# Altium PCB m-BLANC.PcbDoc (part 5 of 15)
Units mm, origin at the board's own origin, x right, y up, seen from the top; angles counter-clockwise.
Board outline 100 x 100 mm, 6 copper layers (Top Layer, InLayer1 (GND), InLayer2 (Signal), InLayer3 (PWR), InLayer4 (GND), Bottom Layer), stack 1.634 mm thick; 322 components, 563 nets, 2865 pads, 1870 vias.
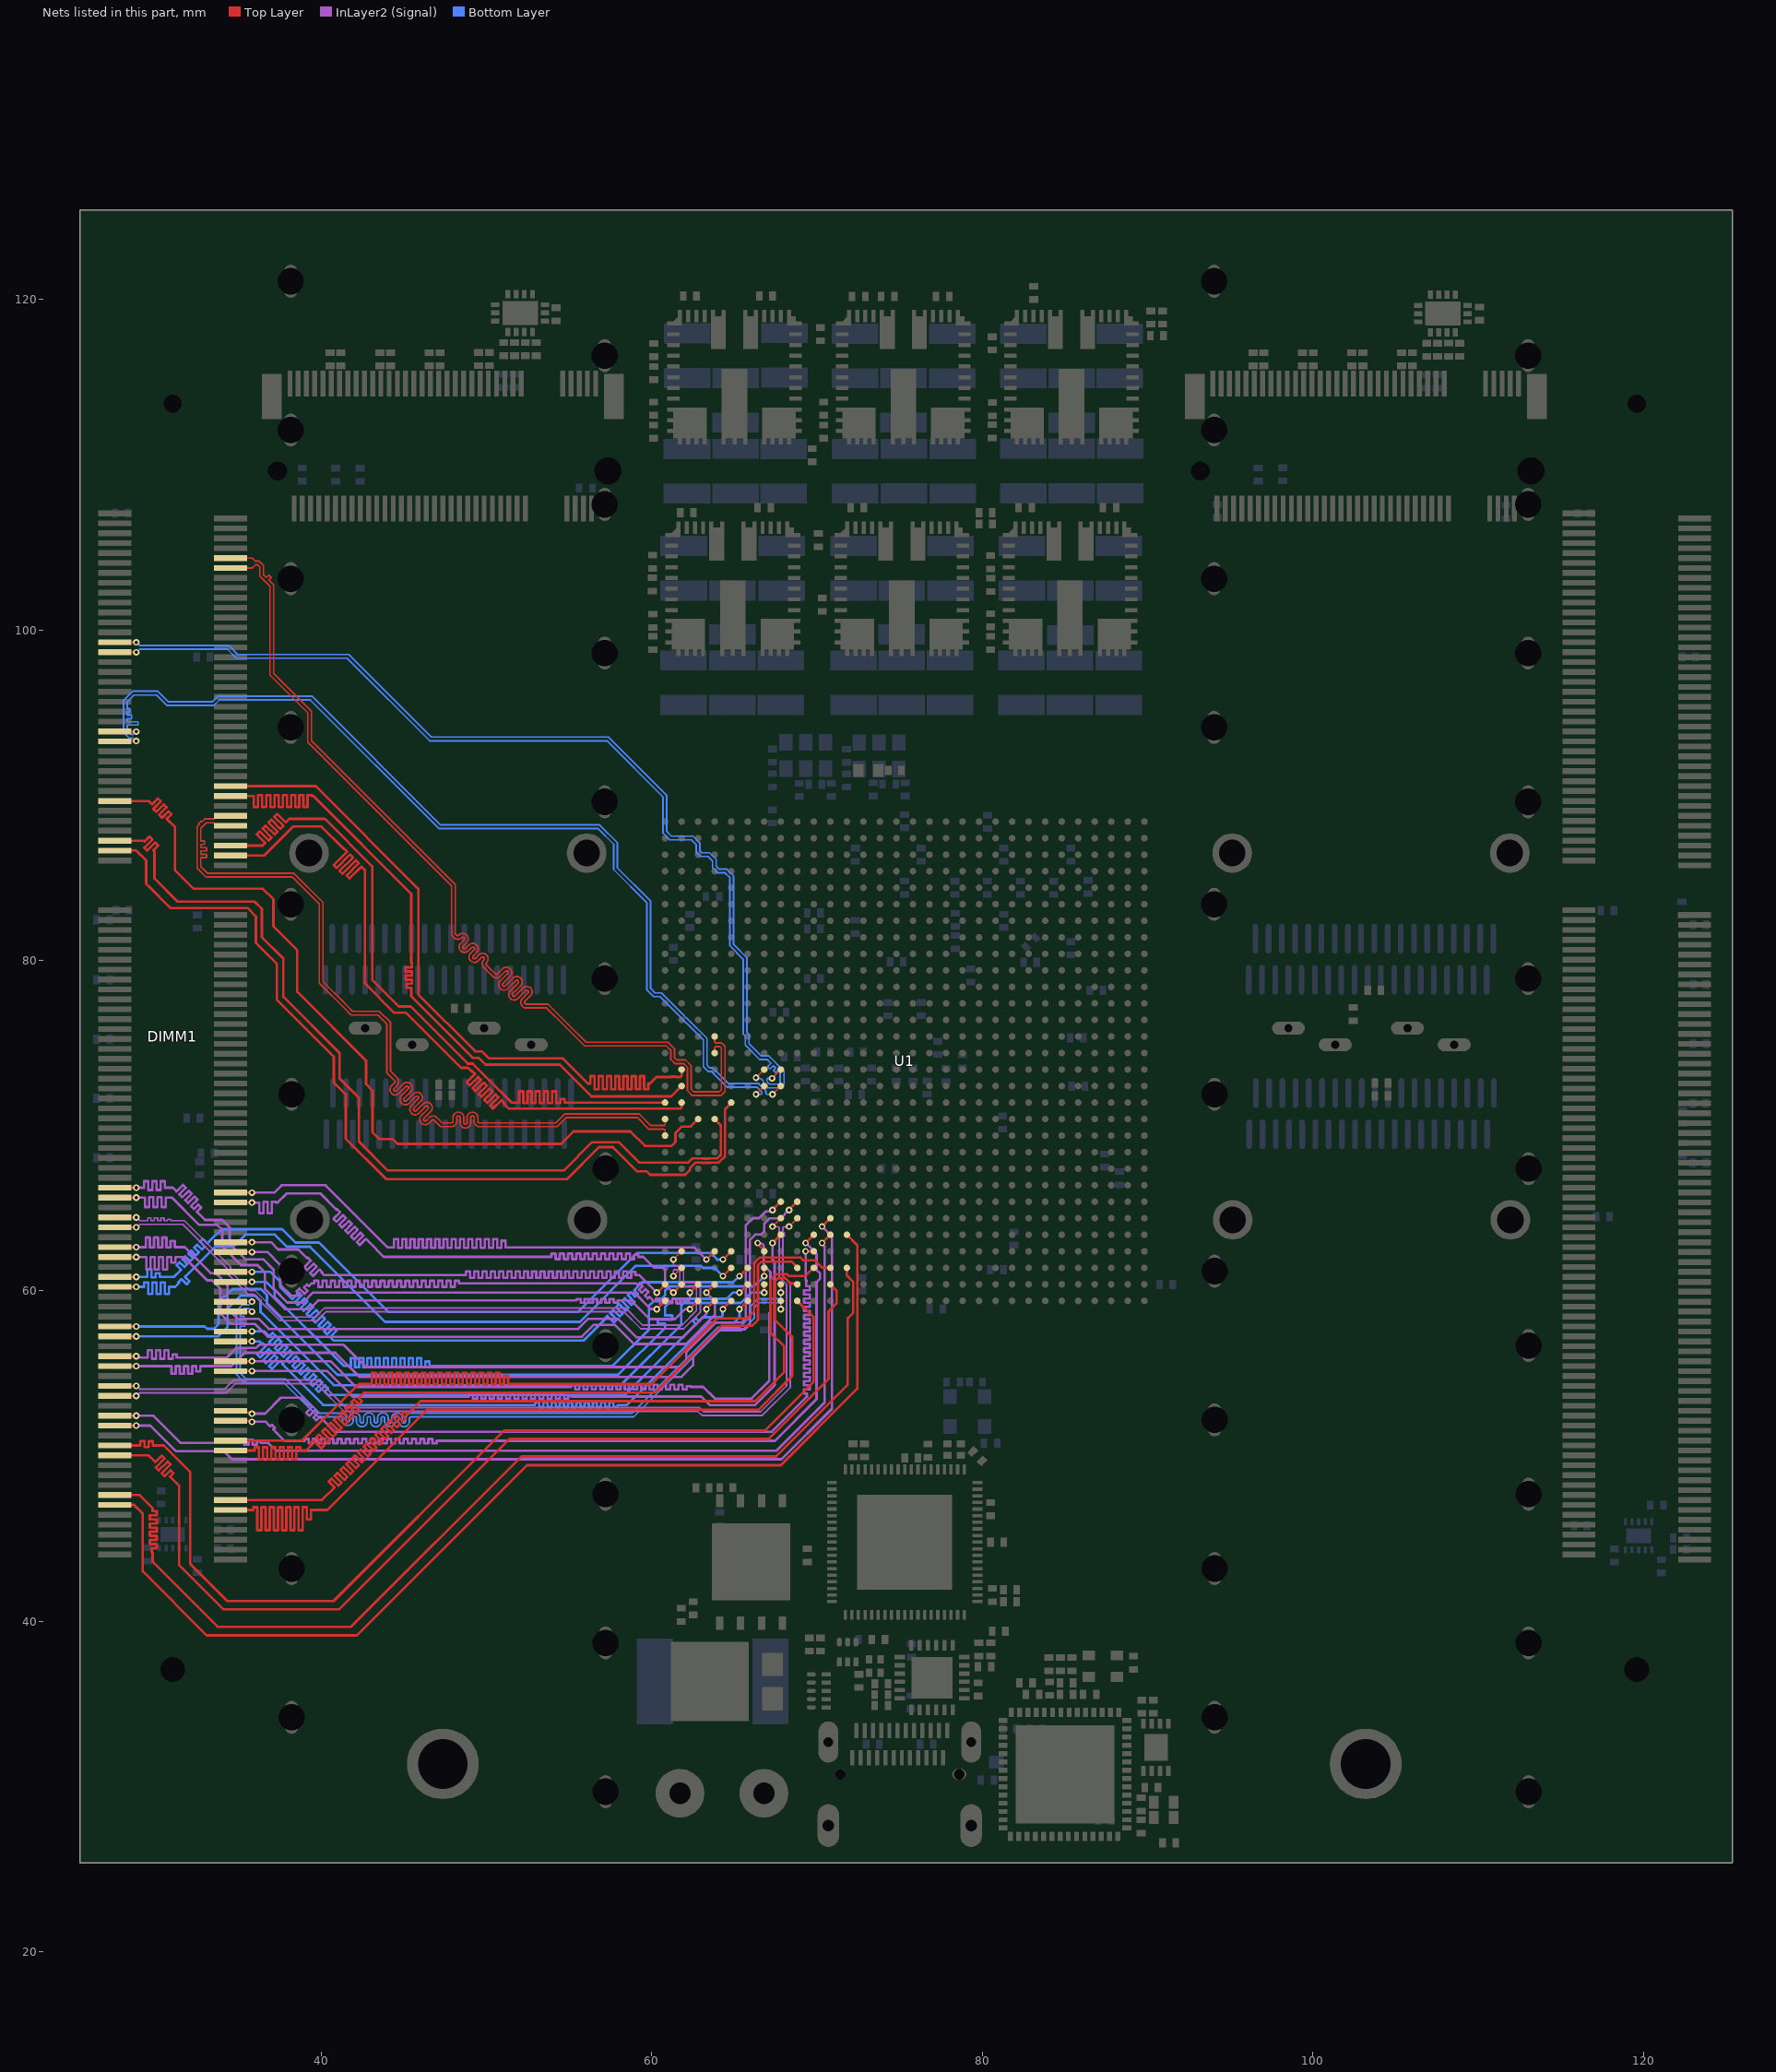
[diagram p9: the nets of this part, all layers, seen from the top]

## Via types
v1: diameter 0.4, hole 0.2, Top Layer to Bottom Layer, tented both sides, 1808 vias
v2: diameter 0.8, hole 0.4, Top Layer to Bottom Layer, tented both sides, 54 vias
v3: diameter 5, hole 3.2, Top Layer to Bottom Layer, 4 vias
v4: diameter 3.5, hole 3.2, Top Layer to Bottom Layer, 4 vias

## Nets (pads, with @x,y where several pads share a name; then routed paths per layer and width w, separated by ;. In a path a pad name is that pad's centre, name@x,y a point inside that pad or via, vN(x,y) a via of type N, cw(c..) or ccw(c..) an arc to the next point about the centre after c; other vN are vias at no path point) (continued)
DRAM1_DQ25: DIMM1.59 U1.AH19 | length 55.2
  Top Layer w0.15: DIMM1.59@27.5,89.65 29.55,89.65 29.7,89.5 29.753,89.447 30.101,89.795 30.278,89.618 29.83,89.17 30.007,88.993 30.454,89.441 30.631,89.264 30.183,88.817 30.36,88.64 30.744,89.024 30.921,88.847 30.637,88.563 31.145,88.055 31.145,85.453 32.26,84.338 36.458,84.338 37.093,83.703 37.093,82.069 38.536,80.627 38.536,78.099 42.7,73.935 42.7,72.518 43.1,72.118 43.1,69.6 43.5,69.2 44.3,69.2 44.6,68.9 54.5,68.9 55.25,69.65 58.702,69.65 59.577,68.775 61.192,68.775 61.425,69.008 61.425,69.555 61.823,69.954 62.354,69.954 U1.AH19@62.8,70.4
DRAM1_DQ26: DIMM1.67 U1.AG19 | length 56.7
  Top Layer w0.15: DIMM1.67@27.5,87.25 29.25,87.25 29.303,87.197 29.6,87.494 29.777,87.317 29.279,86.819 29.456,86.642 29.952,87.139 30.129,86.962 29.833,86.667 29.9,86.6 29.9,86.405 29.9,84.964 31.302,83.561 35.964,83.561 36.4,83.125 36.4,81.4 37.7,80.1 37.7,77.794 41.1,74.394 41.1,72.873 42.273,71.701 42.273,69.027 44.007,67.293 54.68,67.293 56.385,68.999 58.003,68.999 59.226,67.775 62.219,67.775 62.469,68.025 63.114,68.025 63.13,68.01 63.44,68.01 63.455,68.025 63.955,68.025 64.175,68.245 64.175,70.025 U1.AG19@63.8,70.4
DRAM1_DQ27: DIMM1.69 U1.AF18 | length 56.1
  Top Layer w0.15: DIMM1.69@27.5,86.65 28.797,86.65 29.4,86.047 29.4,84.64 29.67,84.37 30.762,83.278 30.863,83.176 35.524,83.176 36.038,82.662 36.038,81.062 37.3,79.8 37.3,77.627 40.749,74.178 40.749,72.62 41.475,71.894 41.475,69.216 43.927,66.764 54.864,66.764 56.8,68.7 57.638,68.7 59.093,67.245 59.669,67.245 59.888,67.025 60.355,67.025 61.145,67.025 61.455,67.025 61.645,67.025 62.021,67.025 62.3,67.304 62.3,67.43 62.645,67.775 62.955,67.775 62.97,67.76 63.544,67.76 63.559,67.775 64.059,67.775 64.425,68.141 64.425,71.003 64.8,71.378 U1.AF18@64.8,71.4
DRAM1_DQ28: DIMM1.56 U1.AJ16 | length 50.2
  Top Layer w0.15: DIMM1.56@34.5,90.55 39.652,90.55 45.869,84.333 45.869,77.95 49.322,74.498 49.713,74.498 50.145,74.066 54.617,74.066 56.126,72.557 56.202,72.557 56.277,72.557 56.277,72.999 56.527,72.999 56.527,72.209 56.777,72.209 56.777,72.999 57.027,72.999 57.027,72.209 57.277,72.209 57.277,72.999 57.527,72.999 57.527,72.209 57.777,72.209 57.777,72.999 58.027,72.999 58.027,72.209 58.277,72.209 58.277,72.999 58.527,72.999 58.527,72.209 58.777,72.209 58.777,72.999 59.027,72.999 59.027,72.209 59.277,72.209 59.277,72.999 59.527,72.999 59.527,72.209 59.777,72.209 59.777,72.557 59.886,72.557 60.073,72.743 60.274,72.945 61.101,72.945 61.176,72.945 61.176,72.977 61.426,72.977 61.426,72.945 61.711,72.945 61.726,72.96 61.799,73.033 U1.AJ16@61.799,73.399
DRAM1_DQ29: DIMM1.58 U1.AJ17 | length 51
  Top Layer w0.15: DIMM1.58@34.5,89.95 35.589,89.95 35.914,89.95 35.914,89.284 36.164,89.284 36.164,90.004 36.414,90.004 36.414,89.284 36.664,89.284 36.664,90.004 36.914,90.004 36.914,89.284 37.164,89.284 37.164,90.004 37.414,90.004 37.414,89.284 37.664,89.284 37.664,90.004 37.914,90.004 37.914,89.284 38.164,89.284 38.164,90.004 38.414,90.004 38.414,89.284 38.664,89.284 38.664,90.004 38.914,90.004 38.914,89.284 39.164,89.284 39.164,90.004 39.414,90.004 39.414,89.95 39.5,89.95 39.518,89.95 45.438,84.031 45.438,79.911 45.438,79.836 45.478,79.836 45.478,79.586 45.09,79.586 45.09,79.336 45.478,79.336 45.478,79.086 45.09,79.086 45.09,78.836 45.478,78.836 45.478,78.586 45.159,78.586 45.159,78.336 45.438,78.336 45.438,77.986 45.438,77.824 49.153,74.109 49.507,74.109 49.919,73.697 54.418,73.697 56.339,71.775 61.175,71.775 U1.AJ17@61.8,72.4
DRAM1_DQ30: DIMM1.68 U1.AK18 | length 51.7
  Top Layer w0.15: DIMM1.68@34.5,86.95 36.436,86.95 36.553,87.067 36.606,87.12 36.095,87.631 36.272,87.808 36.82,87.261 36.996,87.437 36.449,87.985 36.626,88.162 37.173,87.614 37.35,87.791 36.803,88.338 36.979,88.515 37.527,87.968 37.703,88.144 37.156,88.692 37.333,88.869 37.844,88.358 38.055,88.568 38.057,88.571 40.216,88.571 43.08,85.707 43.08,80.106 43.08,79.795 43.08,78.82 44.688,77.212 45.403,77.212 48.862,73.753 49.156,73.753 49.926,72.982 49.926,72.969 50.146,72.749 50.159,72.749 51.508,71.4 51.892,71.4 51.967,71.4 51.967,72.083 52.217,72.083 52.217,71.377 52.467,71.377 52.467,72.083 52.717,72.083 52.717,71.377 52.967,71.377 52.967,72.083 53.217,72.083 53.217,71.377 53.467,71.377 53.467,72.083 53.717,72.083 53.717,71.377 53.967,71.377 53.967,72.083 54.217,72.083 54.217,71.377 54.467,71.377 54.467,71.618 54.717,71.618 54.717,71.4 55.1,71.4 U1.AK18@60.8,71.4
DRAM1_DQ31: DIMM1.70 U1.AJ18 | length 53.4
  Top Layer w0.15: DIMM1.70@34.5,86.35 36.533,86.35 38.283,88.1 40.003,88.1 41.307,86.796 41.36,86.743 41.384,86.767 41.561,86.59 40.741,85.77 40.917,85.594 41.738,86.414 41.914,86.237 41.094,85.417 41.271,85.24 42.091,86.06 42.268,85.883 41.531,85.146 41.707,84.969 42.42,85.682 42.597,85.506 42.644,85.459 42.644,78.609 44.418,76.835 45.121,76.835 48.453,73.503 48.873,73.503 49.045,73.33 49.098,73.277 49.128,73.307 49.305,73.13 48.799,72.624 48.976,72.448 49.481,72.953 49.658,72.777 49.152,72.271 49.329,72.094 49.835,72.6 50.012,72.423 49.506,71.917 49.683,71.741 50.188,72.246 50.365,72.07 49.859,71.564 50.036,71.387 50.542,71.893 50.719,71.716 50.213,71.21 50.39,71.033 50.896,71.539 51.072,71.362 51.043,71.333 51.222,71.153 51.351,71.025 61.698,71.025 61.786,71.113 61.786,71.386 U1.AJ18@61.8,71.4
DRAM1_DQ32: DIMM1.129 U1.AK30 | length 45.3
  Top Layer w0.15: DIMM1.129@27.5,66.25 v1(28.8,66.25) ; v1(60.3,58.9) U1.AK30@60.8,59.4
  InLayer2 (Signal) w0.15: v1(28.8,66.25) 29.2,66.25 29.275,66.25 29.275,66.635 29.525,66.635 29.525,66.107 29.775,66.107 29.775,66.635 30.025,66.635 30.025,66.107 30.275,66.107 30.275,66.635 30.525,66.635 30.525,66.25 30.83,66.25 31.006,66.25 31.178,66.078 31.231,66.025 31.623,66.417 31.8,66.241 31.406,65.847 31.583,65.67 31.977,66.064 32.154,65.887 31.76,65.493 31.937,65.316 32.331,65.71 32.507,65.533 32.113,65.14 32.29,64.963 32.554,65.227 32.731,65.05 32.469,64.788 32.578,64.678 32.956,64.3 34,64.3 34.447,63.853 34.447,62.856 35.391,61.912 36.488,61.912 37.111,61.289 37.111,60.135 37.946,59.3 38.9,59.3 39.507,59.907 58.929,59.907 59.92,58.915 60.285,58.915 v1(60.3,58.9)
DRAM1_DQ33: DIMM1.131 U1.AH30 | length 46.2
  Top Layer w0.15: DIMM1.131@27.5,65.65 v1(28.8,65.65) ; v1(62.3,58.9) U1.AH30@62.8,59.4
  InLayer2 (Signal) w0.15: v1(28.8,65.65) 29.007,65.65 29.332,65.65 29.332,65.074 29.582,65.074 29.582,65.67 29.832,65.67 29.832,65.074 30.082,65.074 30.082,65.67 30.332,65.67 30.332,65.08 30.582,65.08 30.582,65.65 30.792,65.65 30.951,65.65 32.601,64 33.7,64 34,63.7 34,62.7 35.135,61.565 36.135,61.565 36.588,61.112 36.588,60.102 37.79,58.9 39.284,58.9 39.804,59.42 55.36,59.42 55.435,59.42 55.435,59.518 55.685,59.518 55.685,59.288 55.935,59.288 55.935,59.518 56.185,59.518 56.185,59.288 56.435,59.288 56.435,59.518 56.685,59.518 56.685,59.288 56.935,59.288 56.935,59.518 57.185,59.518 57.185,59.288 57.435,59.288 57.435,59.518 57.685,59.518 57.685,59.302 57.935,59.302 57.935,59.42 58.539,59.42 58.756,59.42 59.876,58.3 61.401,58.3 62,58.899 62.299,58.899 v1(62.3,58.9)
DRAM1_DQ34: DIMM1.141 U1.AG30 | length 45.3
  Top Layer w0.15: DIMM1.141@27.5,62.65 v1(28.8,62.65) ; v1(63.3,58.9) U1.AG30@63.8,59.4
  InLayer2 (Signal) w0.15: v1(28.8,62.65) 29.3,62.65 29.375,62.65 29.375,63.236 29.625,63.236 29.625,62.638 29.875,62.638 29.875,63.236 30.125,63.236 30.125,62.638 30.375,62.638 30.375,63.236 30.625,63.236 30.625,62.638 30.875,62.638 30.875,63.028 31.125,63.028 31.125,62.65 31.365,62.65 31.731,62.65 33.304,61.077 33.598,61.077 34.317,60.357 34.317,58.935 34.934,58.319 36.193,58.319 36.812,57.7 55.547,57.7 56.163,58.316 57.931,58.316 59.047,57.2 61.9,57.2 63.299,58.599 v1(63.3,58.9)
DRAM1_DQ35: DIMM1.143 U1.AG29 | length 48.2
  Top Layer w0.15: DIMM1.143@27.5,62.05 v1(28.8,62.05) ; v1(63.3,59.9) U1.AG29@63.8,60.4
  InLayer2 (Signal) w0.15: v1(28.8,62.05) 29.086,62.05 29.411,62.05 29.411,61.3 29.661,61.3 29.661,62.058 29.911,62.058 29.911,61.3 30.161,61.3 30.161,62.058 30.411,62.058 30.411,61.3 30.661,61.3 30.661,62.058 30.911,62.058 30.911,61.707 31.161,61.707 31.161,62.05 31.584,62.05 31.688,62.05 33.093,60.645 33.38,60.645 33.886,60.139 33.886,58.623 34.505,58.004 35.989,58.004 36.767,57.226 55.759,57.226 56.487,57.953 57.747,57.953 58.907,56.793 62.058,56.793 63.812,58.547 63.812,59.388 v1(63.3,59.9)
DRAM1_DQ36: DIMM1.130 U1.AG27 | length 46.5
  Top Layer w0.15: DIMM1.130@34.5,65.95 v1(35.8,65.95) ; v1(63.3,61.9) U1.AG27@63.8,62.4
  InLayer2 (Signal) w0.15: v1(35.8,65.95) 37.15,65.95 37.6,66.4 40.251,66.4 44.023,62.628 44.312,62.628 44.387,62.628 44.387,63.142 44.637,63.142 44.637,62.601 44.887,62.601 44.887,63.142 45.137,63.142 45.137,62.601 45.387,62.601 45.387,63.142 45.637,63.142 45.637,62.601 45.887,62.601 45.887,63.142 46.137,63.142 46.137,62.601 46.387,62.601 46.387,63.142 46.637,63.142 46.637,62.601 46.887,62.601 46.887,63.142 47.137,63.142 47.137,62.601 47.387,62.601 47.387,63.142 47.637,63.142 47.637,62.601 47.887,62.601 47.887,63.142 48.137,63.142 48.137,62.601 48.387,62.601 48.387,63.142 48.637,63.142 48.637,62.601 48.887,62.601 48.887,63.142 49.137,63.142 49.137,62.601 49.387,62.601 49.387,63.142 49.637,63.142 49.637,62.601 49.887,62.601 49.887,63.142 50.137,63.142 50.137,62.601 50.387,62.601 50.387,63.142 50.637,63.142 50.637,62.601 50.887,62.601 50.887,63.041 51.137,63.041 51.137,62.628 52.563,62.628 62.572,62.628 v1(63.3,61.9)
DRAM1_DQ37: DIMM1.132 U1.AJ29 | length 46.2
  Top Layer w0.15: DIMM1.132@34.5,65.35 v1(35.8,65.35) ; v1(61.3,59.9) U1.AJ29@61.8,60.4
  InLayer2 (Signal) w0.15: v1(35.8,65.35) 35.927,65.35 36.252,65.35 36.252,64.708 36.502,64.708 36.502,65.405 36.752,65.405 36.752,64.708 37.002,64.708 37.002,65.405 37.252,65.405 37.252,65.35 37.35,65.35 37.9,65.9 39.936,65.9 40.871,64.965 40.924,64.912 40.955,64.943 41.131,64.767 40.731,64.366 40.908,64.19 41.308,64.59 41.485,64.413 41.085,64.013 41.262,63.836 41.662,64.236 41.839,64.059 41.438,63.659 41.615,63.483 42.015,63.883 42.192,63.706 41.792,63.306 41.969,63.129 42.369,63.529 42.546,63.352 42.146,62.952 42.322,62.775 42.691,63.145 42.86,62.976 43.775,62.061 53.85,62.061 53.925,62.061 53.925,62.263 54.175,62.263 54.175,61.928 54.425,61.928 54.425,62.263 54.675,62.263 54.675,61.928 54.925,61.928 54.925,62.263 55.175,62.263 55.175,61.928 55.425,61.928 55.425,62.263 55.675,62.263 55.675,61.928 55.925,61.928 55.925,62.263 56.175,62.263 56.175,61.928 56.425,61.928 56.425,62.263 56.675,62.263 56.675,61.928 56.925,61.928 56.925,62.263 57.175,62.263 57.175,61.928 57.425,61.928 57.425,62.263 57.675,62.263 57.675,61.928 57.925,61.928 57.925,62.263 58.175,62.263 58.175,61.928 58.425,61.928 58.425,62.263 58.675,62.263 58.675,61.928 58.925,61.928 58.925,62.196 59.175,62.196 59.175,62.061 59.478,62.061 59.532,62.007 60.124,61.414 60.707,61.414 60.795,61.327 60.795,60.405 v1(61.3,59.9)
DRAM1_DQ38: DIMM1.140 U1.AK29 | length 45.9
  Top Layer w0.15: DIMM1.140@34.5,62.95 v1(35.8,62.95) ; v1(60.3,59.9) U1.AK29@60.8,60.4
  InLayer2 (Signal) w0.15: v1(35.8,62.95) 36.95,62.95 37.386,62.514 38.6,62.514 39.09,62.024 39.143,61.971 39.18,62.007 39.356,61.83 38.963,61.437 39.14,61.26 39.533,61.653 39.71,61.477 39.317,61.083 39.493,60.906 39.887,61.3 40.063,61.123 40.027,61.087 40.119,60.994 40.145,60.969 48.678,60.969 48.753,60.969 48.753,61.185 49.003,61.185 49.003,60.8 49.253,60.8 49.253,61.185 49.503,61.185 49.503,60.8 49.753,60.8 49.753,61.185 50.003,61.185 50.003,60.8 50.253,60.8 50.253,61.185 50.503,61.185 50.503,60.8 50.753,60.8 50.753,61.185 51.003,61.185 51.003,60.8 51.253,60.8 51.253,61.185 51.503,61.185 51.503,60.8 51.753,60.8 51.753,61.185 52.003,61.185 52.003,60.8 52.253,60.8 52.253,61.185 52.503,61.185 52.503,60.8 52.753,60.8 52.753,61.185 53.003,61.185 53.003,60.8 53.253,60.8 53.253,61.185 53.503,61.185 53.503,60.8 53.753,60.8 53.753,61.185 54.003,61.185 54.003,60.8 54.253,60.8 54.253,61.185 54.503,61.185 54.503,60.8 54.753,60.8 54.753,61.185 55.003,61.185 55.003,60.8 55.253,60.8 55.253,61.185 55.503,61.185 55.503,60.8 55.753,60.8 55.753,61.185 56.003,61.185 56.003,60.8 56.253,60.8 56.253,61.185 56.503,61.185 56.503,60.8 56.753,60.8 56.753,61.185 57.003,61.185 57.003,60.8 57.253,60.8 57.253,61.185 57.503,61.185 57.503,60.8 57.753,60.8 57.753,61.185 58.003,61.185 58.003,60.8 58.253,60.8 58.253,61.185 58.503,61.185 58.503,60.8 58.753,60.8 58.753,61.155 59.003,61.155 59.003,60.969 59.231,60.969 59.28,60.92 v1(60.3,59.9)
DRAM1_DQ39: DIMM1.142 U1.AH29 | length 48.5
  Top Layer w0.15: DIMM1.142@34.5,62.35 35.621,62.35 v1(35.8,62.35) ; v1(62.3,59.9) U1.AH29@62.8,60.4
  InLayer2 (Signal) w0.15: v1(35.8,62.35) 36.75,62.35 37.5,61.6 37.5,60.4 38.2,59.7 38.648,59.7 38.649,59.702 38.703,59.755 38.489,59.968 38.666,60.145 38.981,59.83 39.158,60.006 38.948,60.216 39.125,60.393 39.233,60.285 39.395,60.447 39.405,60.457 39.498,60.457 39.573,60.457 39.573,60.613 39.823,60.613 39.823,60.248 40.073,60.248 40.073,60.613 40.323,60.613 40.323,60.248 40.573,60.248 40.573,60.613 40.823,60.613 40.823,60.248 41.073,60.248 41.073,60.613 41.323,60.613 41.323,60.248 41.573,60.248 41.573,60.613 41.823,60.613 41.823,60.248 42.073,60.248 42.073,60.613 42.323,60.613 42.323,60.248 42.573,60.248 42.573,60.613 42.823,60.613 42.823,60.248 43.073,60.248 43.073,60.613 43.323,60.613 43.323,60.248 43.573,60.248 43.573,60.613 43.823,60.613 43.823,60.248 44.073,60.248 44.073,60.613 44.323,60.613 44.323,60.248 44.573,60.248 44.573,60.613 44.823,60.613 44.823,60.248 45.073,60.248 45.073,60.613 45.323,60.613 45.323,60.248 45.573,60.248 45.573,60.613 45.823,60.613 45.823,60.248 46.073,60.248 46.073,60.613 46.323,60.613 46.323,60.248 46.573,60.248 46.573,60.613 46.823,60.613 46.823,60.248 47.073,60.248 47.073,60.613 47.323,60.613 47.323,60.248 47.573,60.248 47.573,60.613 47.823,60.613 47.823,60.248 48.073,60.248 48.073,60.613 48.323,60.613 48.323,60.457 48.554,60.457 59.044,60.457 59.095,60.406 59.149,60.353 59.265,60.469 59.441,60.292 59.22,60.07 59.397,59.894 59.618,60.115 59.795,59.938 59.573,59.717 59.75,59.54 59.856,59.645 59.95,59.551 60.11,59.391 60.161,59.391 60.236,59.391 60.236,59.523 60.486,59.523 60.486,59.244 60.736,59.244 60.736,59.523 60.986,59.523 60.986,59.275 61.236,59.275 61.236,59.523 61.486,59.523 61.486,59.244 61.736,59.244 61.736,59.523 61.986,59.523 61.986,59.391 62.212,59.391 62.3,59.479 v1(62.3,59.9)
DRAM1_DQ40: DIMM1.147 U1.AF27 | length 47.9
  Top Layer w0.15: DIMM1.147@27.5,60.85 v1(28.8,60.85) ; v1(64.3,61.9) U1.AF27@64.8,62.4
  Bottom Layer w0.15: v1(28.8,60.85) 29.4,60.85 29.475,60.85 29.475,61.313 29.725,61.313 29.725,60.82 29.975,60.82 29.975,61.08 30.225,61.08 30.225,60.85 30.97,60.85 31.08,60.85 31.465,61.235 31.518,61.288 31.242,61.563 31.419,61.74 31.709,61.45 31.885,61.627 31.596,61.917 31.773,62.093 32.062,61.804 32.239,61.981 31.95,62.27 32.126,62.447 32.416,62.158 32.592,62.334 32.303,62.624 32.48,62.8 32.769,62.511 32.946,62.688 32.657,62.977 32.833,63.154 33.109,62.879 33.286,63.056 33.972,63.742 37.619,63.742 38.436,62.925 39.851,62.925 44.04,58.737 55.537,58.737 58.9,62.1 59.1,62.3 63.56,62.3 63.96,61.9 v1(64.3,61.9)
DRAM1_DQ41: DIMM1.149 U1.AF28 | length 47.8
  Top Layer w0.15: DIMM1.149@27.5,60.25 v1(28.8,60.25) ; v1(64.3,60.9) U1.AF28@64.8,61.4
  Bottom Layer w0.15: v1(28.8,60.25) 29.2,60.25 29.275,60.25 29.275,60.515 29.525,60.515 29.525,59.813 29.775,59.813 29.775,60.515 30.025,60.515 30.025,59.813 30.275,59.813 30.275,60.515 30.525,60.515 30.525,59.813 30.775,59.813 30.775,60.25 31.025,60.25 31.15,60.25 31.342,60.442 31.395,60.495 31.354,60.536 31.531,60.713 31.84,60.404 32.016,60.581 31.749,60.849 31.993,61.093 33.582,62.682 34.682,62.682 35.409,63.409 37.178,63.409 37.913,62.675 39.308,62.675 43.849,58.133 55.646,58.133 59.038,61.525 62.973,61.525 63.108,61.39 63.81,61.39 v1(64.3,60.9)
DRAM1_DQ42: DIMM1.157 U1.AE29 | length 47.5
  Top Layer w0.15: DIMM1.157@27.5,57.85 v1(28.8,57.85) ; v1(65.3,59.9) U1.AE29@65.8,60.4
  Bottom Layer w0.15: v1(28.8,57.85) 32.936,57.85 33.075,57.711 33.497,57.711 33.776,57.99 33.776,59.263 33.925,59.412 33.978,59.465 33.927,59.516 34.104,59.693 34.155,59.642 34.402,59.889 34.626,60.113 36.333,60.113 36.71,59.737 36.71,59.19 40.98,54.92 57.949,54.92 60.8,57.772 60.8,57.945 60.8,58.02 60.348,58.02 60.348,58.27 61.228,58.27 61.228,58.52 60.8,58.52 60.8,58.6 60.8,59.042 61.283,59.525 64.524,59.525 64.899,59.9 v1(65.3,59.9)
DRAM1_DQ43: DIMM1.159 U1.AD29 | length 47.1
  Top Layer w0.15: DIMM1.159@27.5,57.25 v1(28.8,57.25) ; v1(66.8,59.9) U1.AD29@66.8,60.4
  Bottom Layer w0.15: v1(28.8,57.25) 29.6,57.25 30.8,57.25 33.748,57.25 34.328,57.83 34.328,58.944 35.108,59.724 35.644,59.724 35.645,59.725 35.955,59.725 35.957,59.724 36.008,59.724 36.312,59.42 36.312,58.733 40.748,54.297 58.12,54.297 61.779,57.956 61.779,59.116 61.938,59.275 65.382,59.275 66.007,59.9 v1(66.8,59.9)
DRAM1_DQ44: DIMM1.146 U1.AE28 | length 48.2
  Top Layer w0.15: DIMM1.146@34.5,61.15 35.621,61.15 v1(35.8,61.15) ; v1(65.3,60.9) U1.AE28@65.8,61.4
  Bottom Layer w0.15: v1(35.8,61.15) 36.922,61.15 37.511,60.561 37.511,60.229 38.179,59.562 38.232,59.509 38.625,59.902 38.802,59.726 38.402,59.326 38.579,59.149 38.979,59.549 39.156,59.372 38.756,58.972 38.932,58.795 39.332,59.195 39.509,59.018 39.109,58.618 39.286,58.442 39.686,58.842 39.863,58.665 39.463,58.265 39.639,58.088 40.039,58.488 40.216,58.311 39.816,57.911 39.993,57.735 40.393,58.135 40.57,57.958 40.17,57.558 40.347,57.381 40.747,57.781 40.923,57.604 40.53,57.211 40.67,57.07 40.74,57 55.885,57 57.113,58.228 57.166,58.281 57.126,58.321 57.302,58.498 57.702,58.098 57.879,58.275 57.479,58.675 57.656,58.852 58.056,58.452 58.233,58.629 57.833,59.028 58.009,59.205 58.409,58.805 58.586,58.982 58.186,59.382 58.363,59.559 58.763,59.159 58.94,59.336 58.54,59.736 58.717,59.912 58.973,59.656 59.15,59.833 58.934,60.049 59.28,60.395 59.41,60.525 64.925,60.525 v1(65.3,60.9)
DRAM1_DQ45: DIMM1.148 U1.AD28 | length 48.9
  Top Layer w0.15: DIMM1.148@34.5,60.55 35.621,60.55 v1(35.8,60.55) ; v1(66.8,60.9) U1.AD28@66.8,61.4
  Bottom Layer w0.15: v1(35.8,60.55) 36.65,60.55 37.175,60.025 37.175,59.646 41.352,55.469 41.708,55.469 41.783,55.469 41.783,55.934 42.033,55.934 42.033,55.381 42.283,55.381 42.283,55.934 42.533,55.934 42.533,55.381 42.783,55.381 42.783,55.934 43.033,55.934 43.033,55.381 43.283,55.381 43.283,55.934 43.533,55.934 43.533,55.381 43.783,55.381 43.783,55.934 44.033,55.934 44.033,55.381 44.283,55.381 44.283,55.934 44.533,55.934 44.533,55.381 44.783,55.381 44.783,55.934 45.033,55.934 45.033,55.381 45.283,55.381 45.283,55.934 45.533,55.934 45.533,55.381 45.783,55.381 45.783,55.934 46.033,55.934 46.033,55.381 46.283,55.381 46.283,55.728 46.533,55.728 46.533,55.469 47.202,55.469 57.636,55.469 59.821,57.654 59.821,59.114 60.076,59.369 60.41,59.369 60.801,59.76 60.801,60.033 61.043,60.275 66.175,60.275 v1(66.8,60.9)
DRAM1_DQ46: DIMM1.158 U1.AF30 | length 45.6
  Top Layer w0.15: DIMM1.158@34.5,57.55 v1(35.8,57.55) ; v1(64.3,58.9) U1.AF30@64.8,59.4
  Bottom Layer w0.15: v1(35.8,57.55) 36.557,57.55 36.793,57.314 36.846,57.261 37.049,57.464 37.226,57.287 36.831,56.893 37.008,56.716 37.402,57.11 37.579,56.934 37.185,56.539 37.361,56.362 37.756,56.757 37.933,56.58 37.538,56.186 37.715,56.009 38.109,56.403 38.286,56.226 37.892,55.832 38.068,55.655 38.463,56.05 38.64,55.873 38.245,55.478 38.422,55.302 38.817,55.696 38.993,55.519 38.599,55.125 38.776,54.948 39.17,55.343 39.347,55.166 38.952,54.771 39.129,54.595 39.524,54.989 39.7,54.812 39.306,54.418 39.483,54.241 39.877,54.636 40.054,54.459 39.659,54.064 39.836,53.887 40.231,54.282 40.408,54.105 40.205,53.903 40.269,53.838 40.407,53.7 58.368,53.7 62.611,57.942 62.664,57.995 62.486,58.173 62.662,58.35 62.84,58.172 63.012,58.343 63.073,58.404 64.187,58.404 64.275,58.492 64.275,58.875 v1(64.3,58.9)
DRAM1_DQ47: DIMM1.160 U1.AE30 | length 46
  Top Layer w0.15: DIMM1.160@34.5,56.95 35.621,56.95 v1(35.8,56.95) ; v1(65.3,58.9) U1.AE30@65.8,59.4
  Bottom Layer w0.15: v1(35.8,56.95) 36.25,56.95 36.355,56.845 36.408,56.792 36.453,56.837 36.63,56.66 36.126,56.156 36.303,55.979 36.807,56.483 36.983,56.307 36.479,55.803 36.656,55.626 37.16,56.13 37.337,55.953 36.833,55.449 37.01,55.272 37.514,55.776 37.69,55.599 37.645,55.555 37.812,55.388 40.1,53.1 52.853,53.1 52.928,53.1 52.928,53.256 53.178,53.256 53.178,52.964 53.428,52.964 53.428,53.256 53.678,53.256 53.678,52.964 53.928,52.964 53.928,53.256 54.178,53.256 54.178,52.964 54.428,52.964 54.428,53.256 54.678,53.256 54.678,52.964 54.928,52.964 54.928,53.256 55.178,53.256 55.178,52.964 55.428,52.964 55.428,53.256 55.678,53.256 55.678,52.964 55.928,52.964 55.928,53.256 56.178,53.256 56.178,52.964 56.428,52.964 56.428,53.256 56.678,53.256 56.678,52.964 56.928,52.964 56.928,53.256 57.178,53.256 57.178,52.964 57.428,52.964 57.428,53.256 57.678,53.256 57.678,52.988 57.928,52.988 57.928,53.1 58.491,53.1 58.524,53.132 63.475,58.084 64.984,58.084 65.3,58.4 v1(65.3,58.9)